# KiCad board FullsizeKeyboardPCB.kicad_pcb (continued)
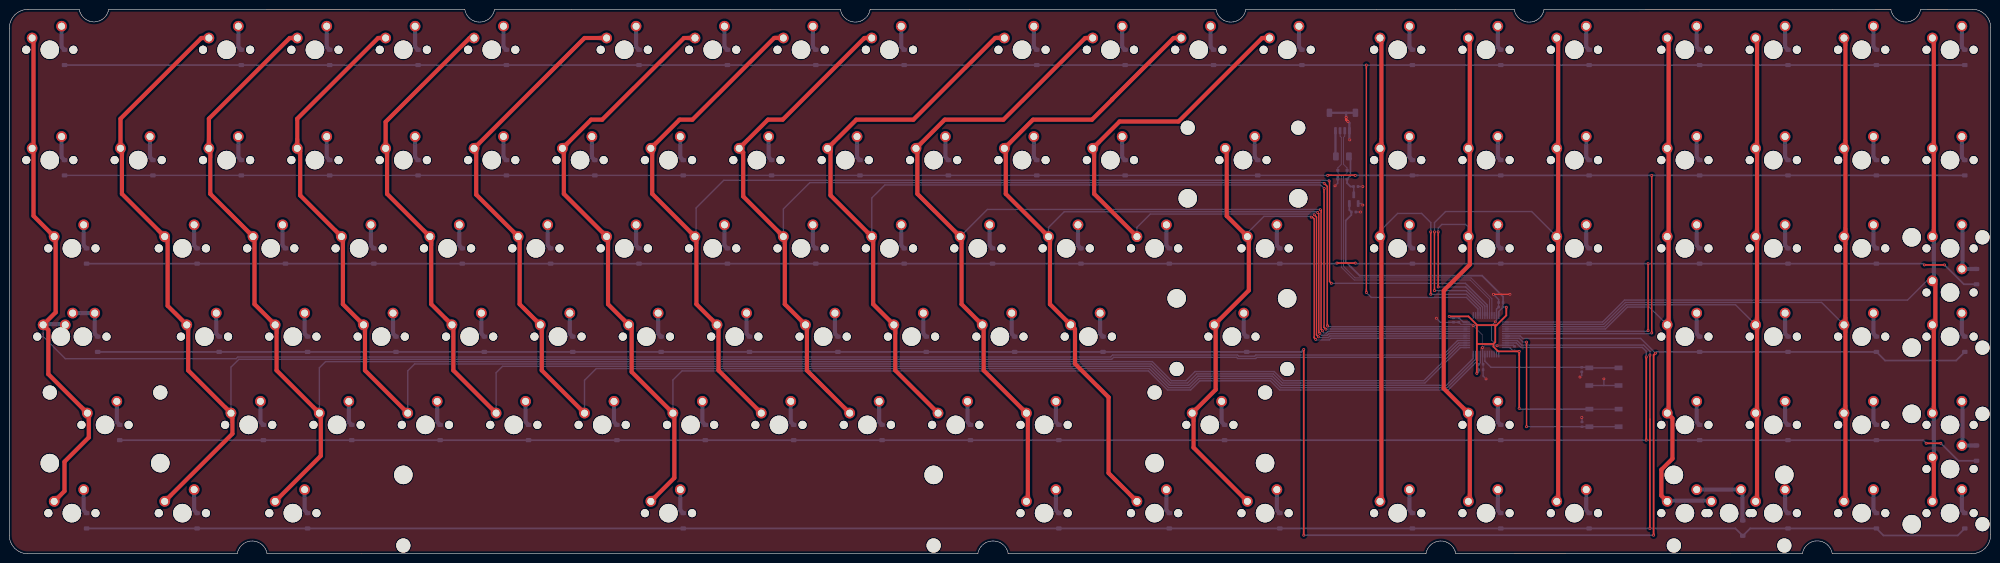
[diagram p0: board, top side]
## Nets
+3V3: BOOT1.1 C1.1 C2.1 C3.1 C5.2 C6.1 C7.1 C8.1 C9.1 U1.2 U2.9 U2.24 U2.36 U2.48
+5V: C4.1 D1.4 F1.2 U1.3
GND: C1.2 C2.2 C3.2 C4.2 C5.1 C6.2 C7.2 C8.2 C9.2 C10.2 D1.1 J1.4 J1.MP NRST1.2 R1.2 U1.1 U2.8 U2.23 U2.35 U2.47
VBUS: F1.1 J1.1
BOOT0: BOOT1.2 R1.1 U2.44
COL0: MX1.1 MX21.1 MX42.1 MX64.1 MX65.1 MX82.1 MX100.1 U2.16
COL1: MX2.1 MX22.1 MX43.1 MX66.1 MX83.1 MX101.1 U2.15
COL2: MX3.1 MX23.1 MX44.1 MX67.1 MX84.1 MX102.1 U2.14
COL3: MX4.1 MX24.1 MX45.1 MX68.1 MX85.1 U2.13
COL4: MX5.1 MX25.1 MX46.1 MX69.1 MX86.1 U2.12
COL5: MX6.1 MX26.1 MX47.1 MX70.1 MX87.1 U2.11
COL6: MX7.1 MX27.1 MX48.1 MX71.1 MX88.1 MX103.1 U2.10
COL7: MX8.1 MX28.1 MX49.1 MX72.1 MX89.1 U2.31
COL8: MX9.1 MX29.1 MX50.1 MX73.1 MX90.1 U2.22
COL9: MX10.1 MX30.1 MX51.1 MX74.1 MX91.1 U2.21
COL10: MX11.1 MX31.1 MX52.1 MX75.1 MX92.1 MX104.1 U2.20
COL11: MX12.1 MX32.1 MX53.1 MX76.1 MX105.1 U2.19
COL12: MX13.1 MX33.1 MX54.1 U2.18
COL13: MX34.1 MX55.1 MX77.1 MX93.1 MX106.1 U2.17
COL14: MX14.1 MX35.1 MX56.1 MX107.1 U2.28
COL15: MX15.1 MX36.1 MX57.1 MX94.1 MX108.1 U2.30
COL16: MX16.1 MX37.1 MX58.1 MX109.1 U2.29
COL17: MX17.1 MX38.1 MX59.1 MX78.1 MX95.1 MX110.1 MX113.1 U2.40
COL18: MX18.1 MX39.1 MX60.1 MX79.1 MX96.1 MX114.1 U2.39
COL19: MX19.1 MX40.1 MX61.1 MX80.1 MX97.1 MX111.1 U2.38
COL20: MX20.1 MX41.1 MX62.1 MX63.1 MX81.1 MX98.1 MX99.1 MX112.1 U2.37
D+: D1.3 J1.3 U2.33
D-: D1.2 J1.2 U2.32
NRST: C10.1 NRST1.1 U2.7
ROW0: D2.1 D3.1 D4.1 D5.1 D6.1 D7.1 D8.1 D9.1 D10.1 D11.1 D12.1 D13.1 D14.1 D15.1 D16.1 D17.1 D18.1 D19.1 D20.1 D21.1 U2.27
ROW1: D22.1 D23.1 D24.1 D25.1 D26.1 D27.1 D28.1 D29.1 D30.1 D31.1 D32.1 D33.1 D34.1 D35.1 D36.1 D37.1 D38.1 D39.1 D40.1 D41.1 D42.1 U2.42
ROW2: D43.1 D44.1 D45.1 D46.1 D47.1 D48.1 D49.1 D50.1 D51.1 D52.1 D53.1 D54.1 D55.1 D56.1 D57.1 D58.1 D59.1 D60.1 D61.1 D62.1 D64.1 U2.41
ROW3: D65.1 D67.1 D68.1 D69.1 D70.1 D71.1 D72.1 D73.1 D74.1 D75.1 D76.1 D77.1 D78.1 D79.1 D80.1 D81.1 D82.1 U2.43
ROW4: D83.1 D84.1 D85.1 D86.1 D87.1 D88.1 D89.1 D90.1 D91.1 D92.1 D93.1 D94.1 D95.1 D96.1 D97.1 D98.1 D100.1 U2.46
ROW5: D101.1 D102.1 D103.1 D104.1 D105.1 D106.1 D107.1 D108.1 D109.1 D110.1 D112.1 D113.1 D114.1 D115.1 U2.45
Net-(D2-A): D2.2 MX1.2
Net-(D3-A): D3.2 MX2.2
Net-(D4-A): D4.2 MX3.2
Net-(D5-A): D5.2 MX4.2
Net-(D6-A): D6.2 MX5.2
Net-(D7-A): D7.2 MX6.2
Net-(D8-A): D8.2 MX7.2
Net-(D9-A): D9.2 MX8.2
Net-(D10-A): D10.2 MX9.2
Net-(D11-A): D11.2 MX10.2
Net-(D12-A): D12.2 MX11.2
Net-(D13-A): D13.2 MX12.2
Net-(D14-A): D14.2 MX13.2
Net-(D15-A): D15.2 MX14.2
Net-(D16-A): D16.2 MX15.2
Net-(D17-A): D17.2 MX16.2
Net-(D18-A): D18.2 MX17.2
Net-(D19-A): D19.2 MX18.2
Net-(D20-A): D20.2 MX19.2
Net-(D21-A): D21.2 MX20.2
Net-(D22-A): D22.2 MX21.2
Net-(D23-A): D23.2 MX22.2
Net-(D24-A): D24.2 MX23.2
Net-(D25-A): D25.2 MX24.2
Net-(D26-A): D26.2 MX25.2
Net-(D27-A): D27.2 MX26.2
Net-(D28-A): D28.2 MX27.2
Net-(D29-A): D29.2 MX28.2
Net-(D30-A): D30.2 MX29.2
Net-(D31-A): D31.2 MX30.2
Net-(D32-A): D32.2 MX31.2
Net-(D33-A): D33.2 MX32.2
Net-(D34-A): D34.2 MX33.2
Net-(D35-A): D35.2 MX34.2
Net-(D36-A): D36.2 MX35.2
Net-(D37-A): D37.2 MX36.2
Net-(D38-A): D38.2 MX37.2
Net-(D39-A): D39.2 MX38.2
Net-(D40-A): D40.2 MX39.2
Net-(D41-A): D41.2 MX40.2
Net-(D42-A): D42.2 MX41.2
Net-(D43-A): D43.2 MX42.2
Net-(D44-A): D44.2 MX43.2
Net-(D45-A): D45.2 MX44.2
Net-(D46-A): D46.2 MX45.2
Net-(D47-A): D47.2 MX46.2
Net-(D48-A): D48.2 MX47.2
Net-(D49-A): D49.2 MX48.2
Net-(D50-A): D50.2 MX49.2
Net-(D51-A): D51.2 MX50.2
Net-(D52-A): D52.2 MX51.2
Net-(D53-A): D53.2 MX52.2
Net-(D54-A): D54.2 MX53.2
Net-(D55-A): D55.2 MX54.2
Net-(D56-A): D56.2 MX55.2
Net-(D57-A): D57.2 MX56.2
Net-(D58-A): D58.2 MX57.2
Net-(D59-A): D59.2 MX58.2
Net-(D60-A): D60.2 MX59.2
Net-(D61-A): D61.2 MX60.2
Net-(D62-A): D62.2 MX61.2
Net-(D64-A): D64.2 MX62.2 MX63.2
Net-(D65-A): D65.2 MX64.2 MX65.2
Net-(D67-A): D67.2 MX66.2
Net-(D68-A): D68.2 MX67.2
Net-(D69-A): D69.2 MX68.2
Net-(D70-A): D70.2 MX69.2
Net-(D71-A): D71.2 MX70.2
Net-(D72-A): D72.2 MX71.2
Net-(D73-A): D73.2 MX72.2
Net-(D74-A): D74.2 MX73.2
Net-(D75-A): D75.2 MX74.2
Net-(D76-A): D76.2 MX75.2
Net-(D77-A): D77.2 MX76.2
Net-(D78-A): D78.2 MX77.2
Net-(D79-A): D79.2 MX78.2
Net-(D80-A): D80.2 MX79.2
Net-(D81-A): D81.2 MX80.2
Net-(D82-A): D82.2 MX81.2
Net-(D83-A): D83.2 MX82.2
Net-(D84-A): D84.2 MX83.2
Net-(D85-A): D85.2 MX84.2
Net-(D86-A): D86.2 MX85.2
Net-(D87-A): D87.2 MX86.2
Net-(D88-A): D88.2 MX87.2
Net-(D89-A): D89.2 MX88.2
Net-(D90-A): D90.2 MX89.2
Net-(D91-A): D91.2 MX90.2
Net-(D92-A): D92.2 MX91.2
Net-(D93-A): D93.2 MX92.2
Net-(D94-A): D94.2 MX93.2
Net-(D95-A): D95.2 MX94.2
Net-(D96-A): D96.2 MX95.2
Net-(D97-A): D97.2 MX96.2
Net-(D98-A): D98.2 MX97.2
Net-(D100-A): D100.2 MX98.2 MX99.2
Net-(D101-A): D101.2 MX100.2
Net-(D102-A): D102.2 MX101.2
Net-(D103-A): D103.2 MX102.2
Net-(D104-A): D104.2 MX103.2
Net-(D105-A): D105.2 MX104.2
Net-(D106-A): D106.2 MX105.2
Net-(D107-A): D107.2 MX106.2
Net-(D108-A): D108.2 MX107.2
Net-(D109-A): D109.2 MX108.2
Net-(D110-A): D110.2 MX109.2
Net-(D112-A): D112.2 MX111.2
Net-(D113-A): D113.2 MX112.2
Net-(D114-A): D114.2 MX110.2 MX113.2
Net-(D115-A): D115.2 MX114.2

Pads without a net: U2 1 2 3 4 5 6 25 26 34

## Via types
v1: diameter 0.6, hole 0.3, Top to Bottom, 67 vias

## Routing (per net, layer and track width the routed paths; a pad name or vN(x,y) marks a point on that pad's centre or on a via; arc(x,y) is an arc through that point)
+3V3: length 141.9
  Top w0.375: 320.56,49.35 320.28,49.06 320.28,45.67 319.88,45.27 ; 320.56,49.35 322.66,51.45 v1(322.66,53.21) ; 320.56,49.35 316.38,49.35 316.31,49.42 ; 319.88,45.27 316.31,45.27 ; 319.88,45.27 319.88,44.7 320.89,43.69 v1(325.44,43.69) v1(325.44,31.38) ; 316.31,45.27 316.31,49.42 ; 316.31,45.27 v1(316.31,38.92) ; v1(310.36,51.23) 314.5,51.23 316.31,49.42
  Bottom w0.2: C7.1 C6.1 ; 340.57,31.21 BOOT1.1
  Bottom w0.3: v1(325.44,43.69) 325.32,43.8 C3.1 324.13,43.8 323.43,44.51 U2.48 ; U2.36 321.04,52.29 321.96,53.21 ; v1(322.66,53.21) 322.61,53.26 C9.1 C8.1 ; U2.9 317.04,41.25 C7.1 ; C2.1 C1.1 ; U2.24 313.38,50.01 312.47,50.92
  Bottom w0.375: C8.1 321.96,55.49 317.44,60.02 291.06,60.02 288.05,63.03 288.05,71.91 289.26,73.12 C5.2 288.83,74.18 U1.2 ; C6.1 316.7,39.32 v1(316.31,38.92) ; v1(325.44,31.38) 325.61,31.21 340.57,31.21 ; C1.1 310.66,50.92 v1(310.36,51.23)
+5V: length 9.2
  Bottom w0.3: U1.3 289.78,79.21
  Bottom w0.375: C4.1 289.07,79.25 288.34,79.99 D1.4 289.07,81.59 289.07,85.42
GND: length 75.7
  Top w0.3: v1(319.88,55.99) v1(323.45,55.99)
  Top w0.5: v1(288.53,93.3) 288.14,93.69 v1(288.14,94.17)
  Bottom w0.2: v1(320.68,44.88) 320.81,45.01 U2.47 ; v1(320.68,44.88) 317.9,44.88 v1(317.5,44.48) ; v1(320.68,44.88) 319.48,46.07 319.48,49.24 ; v1(317.5,44.48) 317.5,47.26 v1(315.52,49.24) ; v1(317.5,44.48) 317.54,44.44 U2.8 317.54,41.03 ; 320.99,54.41 320.99,53.26 ; C2.2 312.87,49.51 U2.23 ; C7.2 C6.2
  Bottom w0.3: v1(338.93,29.4) 338.98,29.35 R1.2 ; D1.1 286.34,79.99 v1(285.75,79.4) ; v1(291.74,75.25) 291.41,75.59 U1.1 ; 343.69,36.31 NRST1.2 ; 343.69,36.31 v1(343.69,37.73) ; 343.69,36.31 NRST1.2 ; v1(338.53,38.13) 338.92,38.51 C10.2 ; C5.1 v1(291.24,73.75) ; C9.2 320.54,52.8 U2.35 320.54,50.3 v1(320.28,50.04) 319.48,49.24 v1(315.52,49.24) 315.25,49.51 U2.23 ; C2.2 C1.2 308.45,49.96 v1(307.58,50.83) ; v1(319.88,55.99) 321,54.87 C8.2 ; C4.2 v1(291.74,79.25) ; v1(318.29,37.73) 317.66,38.37 C6.2 ; C3.2 324.18,45.01 U2.47
  Bottom w0.5: v1(288.53,93.3) 288.84,92.99 J1.4 288.84,89.41 v1(288.93,89.33) ; 288.13,95.17 288.13,94.18 v1(288.14,94.17) ; 288.13,95.17 J1.MP ; 288.13,95.17 J1.MP
VBUS: length 5.4
  Bottom w0.5: J1.1 285.84,85.85
BOOT0: length 43
  Top w0.3: v1(327.02,45.68) v1(327.02,27.41)
  Bottom w0.3: U2.44 325.43,46.51 326.26,45.68 v1(327.02,45.68) ; BOOT1.2 R1.1 v1(327.02,27.41)
COL0: length 426.3
  Top w0.9: 17.13,30.05 17.13,25.1 11.91,19.87 11.91,13.52 MX100.1 ; MX82.1 8.42,38.76 8.42,48.28 MX65.1 9.99,52.09 9.99,68.15 ; 5.23,87.2 5.23,72.91 MX42.1 ; 5.23,111.01 5.23,87.81
  Bottom w0.3: U2.16 312.14,46.01 309.03,42.89 268.68,42.89 268.43,42.64 264.97,42.64 264.72,42.89 237.81,42.89 237.38,42.46 49.26,42.46 48.9,42.1 12.07,42.1 7.31,46.86 7.31,47.39 7.3,47.39 MX65.1
  Bottom w0.9: 7.46,49.55 12.06,49.55
COL1: length 402.2
  Top w0.9: MX66.1 34.13,53.53 34.13,67.82 MX43.1 24.28,77.67 24.28,87.2 ; 38.56,49.1 38.56,39.57 MX83.1 ; 48.09,30.05 48.09,25.89 MX101.1 ; MX2.1 41.39,111.31 23.97,93.89 MX22.1
  Bottom w0.3: U2.15 312.35,45.51 309.24,42.39 268.89,42.39 268.64,42.14 264.76,42.14 264.51,42.39 238.02,42.39 237.59,41.96 49.47,41.96 47.78,40.27 MX83.1
COL2: length 385.3
  Top w0.9: 43.33,87.2 43.33,77.67 MX44.1 ; 52.85,68.15 52.85,53.86 MX67.1 ; MX84.1 57.61,39.57 57.61,49.1 ; MX102.1 67.14,21.13 67.14,30.05 ; MX3.1 60.44,111.31 43.02,93.89 MX23.1
  Bottom w0.3: MX84.1 66.83,40.13 68.17,41.46 246.35,41.46 250.46,37.35 253.62,37.35 255.59,39.32 272.65,39.32 274.62,37.35 304.9,37.35 312.56,45.01 U2.14
COL3: length 343.3
  Top w0.9: 76.66,49.1 76.66,39.57 MX85.1 ; MX4.1 79.49,111.31 62.07,93.89 MX24.1 62.71,86.87 62.71,77.34 MX45.1 ; MX68.1 71.9,53.86 71.9,68.15
  Bottom w0.3: MX85.1 85.88,39.48 87.37,40.96 246.15,40.96 250.26,36.85 253.96,36.85 255.92,38.82 272.45,38.82 274.41,36.85 305.11,36.85 312.77,44.51 U2.13
COL4: length 324.6
  Top w0.9: 95.71,49.1 95.71,39.57 MX86.1 ; MX69.1 90.95,53.86 90.95,68.15 ; 81.43,87.2 81.43,77.67 MX46.1 ; MX25.1 81.12,93.22 99.21,111.31 MX5.1
  Bottom w0.3: U2.12 315.54,42.17 309.72,36.35 274.21,36.35 272.24,38.32 256.18,38.32 254.21,36.35 250.05,36.35 245.94,40.46 106.31,40.46 104.93,39.08 MX86.1
COL5: length 311.1
  Top w0.9: 114.76,49.1 114.76,39.57 MX87.1 ; 100.64,87.03 100.64,77.5 MX47.1 ; MX6.1 123.98,111.31 MX26.1 ; 110,68.15 110,53.86 MX70.1
  Bottom w0.3: MX87.1 123.98,37.44 126.51,39.96 245.73,39.96 249.84,35.85 254.41,35.85 256.38,37.82 272.03,37.82 274,35.85 309.93,35.85 316.04,41.96 U2.11
COL6: length 314.2
  Top w0.9: 143.34,30.05 143.34,16.37 MX103.1 ; MX7.1 145.42,111.31 127.79,93.69 125.41,93.69 MX27.1 ; 129.05,68.15 129.05,53.86 MX71.1 134.14,48.77 134.14,39.24 MX88.1 ; MX48.1 119.53,77.67 119.53,87.2
  Bottom w0.3: MX88.1 143.03,37.49 145,39.46 245.52,39.46 249.63,35.35 254.62,35.35 256.59,37.32 271.82,37.32 273.79,35.35 310.14,35.35 316.54,41.76 U2.10
COL7: length 309.1
  Top w0.3: v1(284.45,80.49) 284.56,80.38 284.56,58.77 v1(284.96,58.37)
  Top w0.9: MX8.1 164.86,111.31 147.24,93.69 144.46,93.69 MX28.1 ; MX49.1 138.58,77.67 138.58,87.2 ; MX89.1 152.86,39.57 152.86,49.1 ; MX72.1 148.1,53.86 148.1,68.15
  Bottom w0.3: v1(284.96,58.37) 313.84,58.37 318.54,53.67 318.54,53.36 U2.31 ; 148.03,68.69 148.03,74.64 153.99,80.6 284.35,80.6 v1(284.45,80.49)
COL8: length 290.7
  Top w0.3: v1(283.41,79.95) 283.42,79.95 284.06,79.3 284.06,49.26 v1(284.16,49.16)
  Top w0.9: 167.15,68.15 167.15,53.86 MX73.1 ; MX50.1 158.19,77.11 158.19,86.63 MX29.1 163.51,93.69 166.69,93.69 184.31,111.31 MX9.1 ; MX90.1 171.91,39.57 171.91,49.1
  Bottom w0.3: v1(284.16,49.16) 284.31,49.01 U2.22 ; MX50.1 166.85,74.4 172.54,80.1 283.37,80.1 283.37,79.99 283.41,79.95 v1(283.41,79.95)
COL9: length 282.4
  Top w0.3: v1(283.78,48.46) 283.37,48.86 283.37,78.8 v1(283.41,78.84)
  Top w0.9: MX91.1 190.96,39.57 190.96,49.1 ; MX74.1 186.2,53.86 186.2,68.15 ; MX10.1 212.49,111.31 194.87,93.69 182.56,93.69 MX30.1 177.01,86.87 177.01,77.34 MX51.1
  Bottom w0.3: 283.77,48.45 283.82,48.51 U2.21 ; v1(283.41,78.84) 283.39,78.84 282.64,79.6 188.71,79.6 185.9,76.79 MX51.1
COL10: length 270
  Top w0.3: v1(282.57,74.25) 282.75,74.07 282.75,48.4 v1(283.03,48.11)
  Top w0.9: MX11.1 231.89,111.31 214.27,93.69 201.61,93.69 MX31.1 ; 219.54,30.05 219.54,11.61 ; 195.73,87.2 195.73,77.67 MX52.1 ; MX75.1 205.25,53.86 205.25,68.15 ; 210.01,49.1 210.01,39.57 MX92.1
  Bottom w0.3: v1(282.57,74.25) 282.51,74.31 210.81,74.31 MX52.1 ; 282.97,48.05 283.37,47.65 283.89,47.65 284.24,48.01 U2.20
COL11: length 255
  Top w0.3: v1(282.47,47.55) 282.25,47.77 282.25,73.42 282.01,73.66 v1(282,73.66)
  Top w0.9: MX105.1 236.93,17.41 236.93,33.76 229.7,41 229.7,48.46 MX76.1 224.3,53.86 224.3,68.15 ; MX53.1 214.78,77.67 214.78,87.2 ; MX32.1 220.66,93.69 233.36,93.69 237.73,98.06 237.73,98.1 250.94,111.31 MX12.1
  Bottom w0.3: v1(282,73.66) 282,73.67 281.86,73.81 227.37,73.81 224,70.44 MX53.1 ; 282.57,47.65 v1(282.47,47.55) 282.86,47.15 284.1,47.15 284.45,47.51 U2.19
COL12: length 170.9
  Top w0.3: v1(281.27,73.16) 281.75,72.68 281.75,47.22 v1(282.16,46.81)
  Top w0.9: MX33.1 239.32,93.3 252.02,93.3 270.03,111.31 MX13.1 ; MX54.1 233.83,77.67 233.83,87.2
  Bottom w0.3: U2.18 284.66,47.01 284.31,46.65 282.31,46.65 v1(282.16,46.81) ; MX54.1 243.05,70.44 245.92,73.31 281.13,73.31 281.27,73.17 v1(281.27,73.16)
COL13: length 162.6
  Top w0.3: v1(280.61,72.66) 280.85,72.66 281.25,72.26 281.25,46.59 v1(281.57,46.26)
  Top w0.9: MX93.1 260.02,35.42 260.02,49.1 ; 267.16,68.15 267.16,56.85 MX77.1 ; MX106.1 255.26,22.9 255.26,30.05 ; 262.4,87.2 262.4,72.91 MX55.1
  Bottom w0.3: U2.17 284.87,46.51 284.51,46.15 281.68,46.15 v1(281.57,46.26) ; v1(280.61,72.66) 280.46,72.81 270.43,72.81 266.86,69.24
  Bottom w0.9: MX55.1 266.86,69.24
COL14: length 141.7
  Top w0.3: v1(306.39,55.99) 306.37,56 v1(306.37,69.48)
  Top w0.9: 295.74,87.2 295.74,68.76 ; 295.74,11.61 295.74,68.15 ; 295.74,111.01 295.74,87.81
  Bottom w0.3: MX56.1 295.43,69.64 299.24,73.45 304.4,73.45 306.39,71.47 306.39,69.5 v1(306.37,69.48) ; U2.28 317.04,53.05 314.1,55.99 v1(306.39,55.99)
COL15: length 138.1
  Top w0.3: v1(307.97,69.48) v1(307.97,57.58)
  Top w0.9: 314.79,87.2 314.79,68.76 ; 314.79,111.01 314.79,87.81 ; MX94.1 309.17,35.67 309.17,56.78 309.41,57.02 309.41,57.04 314.79,62.43 314.79,68.15 ; 314.79,30.05 314.79,11.61
  Bottom w0.3: v1(307.97,69.48) 307.97,70.28 308.77,71.07 313.93,71.07 314.48,70.51 MX57.1 ; U2.30 318.04,53.46 313.93,57.58 v1(307.97,57.58)
COL16: length 156.1
  Top w0.3: v1(307.18,56.78) 307.17,56.79 v1(307.17,69.48)
  Top w0.9: 333.84,68.15 333.84,11.61 ; 333.84,111.01 333.84,87.81 ; 333.84,87.2 333.84,68.76
  Bottom w0.3: MX58.1 328.14,73.85 309.56,73.85 307.18,71.47 307.18,69.49 v1(307.17,69.48) ; v1(307.18,56.78) 314.01,56.78 317.54,53.25 U2.29
COL17: length 147.2
  Top w0.9: 357.65,111.01 357.65,87.81 ; MX113.1 356.08,12.57 356.08,18.13 358.46,20.51 358.46,29.23 MX95.1 ; 357.65,49.1 357.65,30.66 ; 357.65,87.2 357.65,68.76 ; 357.65,68.15 357.65,49.71
  Bottom w0.3: U2.40 344.02,48.51 348.76,53.24 353.51,53.24 MX78.1
  Bottom w0.9: 357.5,11.45 366.72,11.45
COL18: length 154.7
  Top w0.9: 376.7,87.2 376.7,68.76 ; 376.7,30.05 376.7,11.61 ; 376.7,111.01 376.7,87.81 ; 376.7,68.15 376.7,49.71 ; 376.7,49.1 376.7,30.66
  Bottom w0.3: MX79.1 372.06,53.74 348.55,53.74 343.82,49.01 U2.39
COL19: length 173.9
  Top w0.9: 395.75,49.1 395.75,30.66 ; 395.75,11.61 395.75,30.05 ; 395.75,68.15 395.75,49.71 ; 395.75,111.01 395.75,87.81 ; 395.75,87.2 395.75,68.76
  Bottom w0.3: U2.38 343.61,49.51 348.34,54.24 390.61,54.24 MX80.1
COL20: length 192.6
  Top w0.9: 414.8,11.61 414.8,20.52 ; 414.8,30.66 414.8,49.1 ; MX81.1 415.13,50.04 415.13,58.29 MX62.1 ; 414.8,68.76 414.8,87.2 ; 414.8,87.81 414.8,111.01
  Bottom w0.3: U2.37 343.4,50.01 348.13,54.74 409.12,54.74 413.31,58.93 MX62.1
  Bottom w0.9: 414.8,68.15 414.8,59.23 ; 414.8,30.05 414.8,21.13
D+: length 68.5
  Bottom w0.2: J1.3 287.84,90.13 287.56,89.86 287.56,84.05 288.34,83.28 D1.3 288.34,82.23 287.56,81.45 287.56,62.04 290.07,59.53 315.07,59.53 319.54,55.06 U2.33
D-: length 68.5
  Bottom w0.2: U2.32 319.04,54.92 314.88,59.08 289.88,59.08 287.11,61.85 287.11,81.46 286.71,81.85 286.71,81.85 286.34,82.23 D1.2 286.34,83.28 287.11,84.05 287.11,89.86 286.84,90.13 J1.2
NRST: length 30.8
  Bottom w0.3: 340.42,40.24 C10.1 319.36,40.24 318.04,41.55 U2.7 ; NRST1.1 NRST1.1
ROW0: length 486.1
  Top w0.3: v1(292.5,56.39) v1(292.5,105.47)
  Bottom w0.3: D14.1 279.13,105.47 ; v1(292.5,56.39) 293.56,55.33 314.06,55.33 316.54,52.84 U2.27
  Bottom w0.375: D21.1 v1(292.5,105.47) D2.1
ROW1: length 476.4
  Top w0.3: v1(354.01,47.65) v1(354.01,81.66) ; v1(290.12,81.66) 290.07,81.7 284.21,81.7 v1(284.16,81.66)
  Bottom w0.3: U2.42 353.87,47.51 v1(354.01,47.65) ; D22.1 D35.1 v1(284.16,81.66)
  Bottom w0.375: 303.61,81.66 D38.1 v1(354.01,81.66) D42.1 ; 303.61,81.66 D36.1 ; 303.61,81.66 v1(290.12,81.66)
ROW2: length 454.6
  Top w0.3: v1(353.22,48.16) v1(353.22,62.61)
  Top w0.375: v1(286.15,62.74) v1(290.12,62.74) ; v1(417.12,62.34) v1(412.75,62.34)
  Bottom w0.3: v1(353.22,48.16) 353.07,48.01 U2.41
  Bottom w0.375: v1(417.12,62.34) 421.29,58.16 D64.1 ; v1(290.12,62.74) 290.24,62.61 D57.1 v1(353.22,62.61) D62.1 412.48,62.61 v1(412.75,62.34) ; v1(286.15,62.74) 286.02,62.61 D56.1 D43.1
ROW3: length 517.3
  Top w0.375: v1(354.41,4) 354.41,42.89 v1(354.81,43.29) ; v1(279,44.08) v1(279,4)
  Bottom w0.3: 322.46,47.01 323.3,47.01 325.64,47.01 326.18,46.46 351.63,46.46 v1(354.81,43.29)
  Bottom w0.375: D65.1 D78.1 278.48,43.56 v1(279,44.08) ; v1(354.41,4) v1(279,4) ; D82.1 419.62,41.7 404.29,41.7 D81.1 D79.1 355.08,43.56 v1(354.81,43.29)
ROW4: length 452.3
  Top w0.375: v1(352.82,24.51) v1(352.82,42.5) ; v1(413.15,23.84) v1(416.32,23.84)
  Bottom w0.3: U2.46 324.81,45.51 325.78,44.53 351.98,44.53 352.82,43.69 v1(352.82,42.5)
  Bottom w0.375: D83.1 D94.1 v1(352.82,24.51) D98.1 412.48,24.51 v1(413.15,23.84) ; D100.1 420.1,20.06 v1(416.32,23.84)
ROW5: length 477.7
  Top w0.3: v1(353.62,42.89) 353.62,29
  Top w0.375: v1(353.62,5.46) 353.62,29
  Bottom w0.3: v1(353.62,42.89) 353.62,43.69 352.27,45.03 325.99,45.03 325.01,46.01 U2.45
  Bottom w0.375: D113.1 419.97,3.95 403.94,3.95 D112.1 D115.1 375.22,5.46 D114.1 372.04,5.46 v1(353.62,5.46) D110.1 D101.1
Net-(D2-A): length 5.3
  Bottom w0.9: MX1.2 11.27,109.41 D2.2
Net-(D3-A): length 5.3
  Bottom w0.9: MX2.2 49.37,109.41 D3.2
Net-(D4-A): length 5.3
  Bottom w0.9: MX3.2 68.42,109.41 D4.2
Net-(D5-A): length 5.3
  Bottom w0.9: MX4.2 87.47,109.41 D5.2
Net-(D6-A): length 5.3
  Bottom w0.9: D6.2 106.52,109.41 MX5.2
Net-(D7-A): length 5.3
  Bottom w0.9: MX6.2 135.1,109.41 D7.2
Net-(D8-A): length 5.3
  Bottom w0.9: D8.2 154.15,109.41 MX7.2
Net-(D9-A): length 5.3
  Bottom w0.9: MX8.2 173.2,109.41 D9.2
Net-(D10-A): length 5.3
  Bottom w0.9: D10.2 192.25,109.41 MX9.2
Net-(D11-A): length 5.3
  Bottom w0.9: MX10.2 220.82,109.41 D11.2
Net-(D12-A): length 5.3
  Bottom w0.9: D12.2 239.87,109.41 MX11.2
Net-(D13-A): length 5.3
  Bottom w0.9: MX12.2 258.92,109.41 D13.2
Net-(D14-A): length 5.3
  Bottom w0.9: MX13.2 277.97,109.41 D14.2
Net-(D15-A): length 5.3
  Bottom w0.9: MX14.2 301.78,109.41 D15.2
Net-(D16-A): length 5.3
  Bottom w0.9: MX15.2 320.83,109.41 D16.2
Net-(D17-A): length 5.3
  Bottom w0.9: D17.2 339.88,109.41 MX16.2
Net-(D18-A): length 5.3
  Bottom w0.9: D18.2 363.7,109.41 MX17.2
Net-(D19-A): length 5.3
  Bottom w0.9: MX18.2 382.75,109.41 D19.2
Net-(D20-A): length 5.3
  Bottom w0.9: D20.2 401.8,109.41 MX19.2
Net-(D21-A): length 5.3
  Bottom w0.9: D21.2 420.85,109.41 MX20.2
Net-(D22-A): length 5.3
  Bottom w0.9: MX21.2 11.27,85.6 D22.2
Net-(D23-A): length 5.3
  Bottom w0.9: MX22.2 30.32,85.6 D23.2
Net-(D24-A): length 5.3
  Bottom w0.9: D24.2 49.37,85.6 MX23.2
Net-(D25-A): length 5.3
  Bottom w0.9: MX24.2 68.42,85.6 D25.2
Net-(D26-A): length 5.3
  Bottom w0.9: MX25.2 87.47,85.6 D26.2
Net-(D27-A): length 5.3
  Bottom w0.9: MX26.2 106.52,85.6 D27.2
Net-(D28-A): length 5.3
  Bottom w0.9: MX27.2 125.57,85.6 D28.2
Net-(D29-A): length 5.3
  Bottom w0.9: D29.2 144.62,85.6 MX28.2
Net-(D30-A): length 5.3
  Bottom w0.9: D30.2 163.67,85.6 MX29.2
Net-(D31-A): length 5.3
  Bottom w0.9: D31.2 182.72,85.6 MX30.2
Net-(D32-A): length 5.3
  Bottom w0.9: D32.2 201.77,85.6 MX31.2
Net-(D33-A): length 5.3
  Bottom w0.9: MX32.2 220.82,85.6 D33.2
Net-(D34-A): length 5.3
  Bottom w0.9: MX33.2 239.87,85.6 D34.2
Net-(D35-A): length 5.3
  Bottom w0.9: MX34.2 268.45,85.6 D35.2
Net-(D36-A): length 5.3
  Bottom w0.9: MX35.2 301.78,85.6 D36.2
Net-(D37-A): length 5.3
  Bottom w0.9: D37.2 320.83,85.6 MX36.2
Net-(D38-A): length 5.3
  Bottom w0.9: MX37.2 339.88,85.6 D38.2
Net-(D39-A): length 5.3
  Bottom w0.9: MX38.2 363.7,85.6 D39.2
Net-(D40-A): length 5.3
  Bottom w0.9: MX39.2 382.75,85.6 D40.2
Net-(D41-A): length 5.3
  Bottom w0.9: D41.2 401.8,85.6 MX40.2
Net-(D42-A): length 5.3
  Bottom w0.9: D42.2 420.85,85.6 MX41.2
Net-(D43-A): length 5.3
  Bottom w0.9: D43.2 16.03,66.55 MX42.2
Net-(D44-A): length 5.3
  Bottom w0.9: D44.2 39.85,66.55 MX43.2
Net-(D45-A): length 5.3
  Bottom w0.9: D45.2 58.9,66.55 MX44.2
Net-(D46-A): length 5.3
  Bottom w0.9: D46.2 77.95,66.55 MX45.2
Net-(D47-A): length 5.3
  Bottom w0.9: D47.2 97,66.55 MX46.2
Net-(D48-A): length 5.3
  Bottom w0.9: D48.2 116.05,66.55 MX47.2
Net-(D49-A): length 5.3
  Bottom w0.9: MX48.2 135.1,66.55 D49.2
Net-(D50-A): length 5.3
  Bottom w0.9: D50.2 154.15,66.55 MX49.2
Net-(D51-A): length 5.3
  Bottom w0.9: MX50.2 173.2,66.55 D51.2
Net-(D52-A): length 5.3
  Bottom w0.9: D52.2 192.25,66.55 MX51.2
Net-(D53-A): length 5.3
  Bottom w0.9: D53.2 211.3,66.55 MX52.2
Net-(D54-A): length 5.3
  Bottom w0.9: MX53.2 230.35,66.55 D54.2
Net-(D55-A): length 5.3
  Bottom w0.9: D55.2 249.4,66.55 MX54.2
Net-(D56-A): length 5.3
  Bottom w0.9: MX55.2 273.21,66.55 D56.2
Net-(D57-A): length 5.3
  Bottom w0.9: MX56.2 301.78,66.55 D57.2
Net-(D58-A): length 5.3
  Bottom w0.9: MX57.2 320.83,66.55 D58.2
Net-(D59-A): length 5.3
  Bottom w0.9: D59.2 339.88,66.55 MX58.2
Net-(D60-A): length 5.3
  Bottom w0.9: MX59.2 363.7,66.55 D60.2
Net-(D61-A): length 5.3
  Bottom w0.9: MX60.2 382.75,66.55 D61.2
Net-(D62-A): length 5.3
  Bottom w0.9: MX61.2 401.8,66.55 D62.2
Net-(D64-A): length 12.4
  Bottom w0.9: 420.85,61.46 D64.2 ; 421,70.84 421,61.62
Net-(D65-A): length 10.1
  Bottom w0.9: D65.2 18.42,47.5 MX64.2 MX65.2
Net-(D67-A): length 5.3
  Bottom w0.9: MX66.2 44.61,47.5 D67.2
Net-(D68-A): length 5.3
  Bottom w0.9: D68.2 63.66,47.5 63.66,51.94
Net-(D69-A): length 5.3
  Bottom w0.9: D69.2 82.71,47.5 MX68.2
Net-(D70-A): length 5.3
  Bottom w0.9: D70.2 101.76,47.5 MX69.2
Net-(D71-A): length 5.3
  Bottom w0.9: MX70.2 120.81,47.5 D71.2
Net-(D72-A): length 5.3
  Bottom w0.9: MX71.2 139.86,47.5 D72.2
Net-(D73-A): length 5.3
  Bottom w0.9: D73.2 158.91,47.5 MX72.2
Net-(D74-A): length 5.3
  Bottom w0.9: MX73.2 177.96,47.5 D74.2
Net-(D75-A): length 5.3
  Bottom w0.9: D75.2 197.01,47.5 197.01,51.94
Net-(D76-A): length 5.3
  Bottom w0.9: MX75.2 216.06,47.5 D76.2
Net-(D77-A): length 5.3
  Bottom w0.9: D77.2 235.11,47.5 MX76.2
Net-(D78-A): length 5.3
  Bottom w0.9: D78.2 266.06,47.5 MX77.2
Net-(D79-A): length 5.3
  Bottom w0.9: D79.2 363.7,47.5 MX78.2
Net-(D80-A): length 5.3
  Bottom w0.9: MX79.2 382.75,47.5 D80.2
Net-(D81-A): length 5.3
  Bottom w0.9: MX80.2 401.8,47.5 D81.2
Net-(D82-A): length 5.3
  Bottom w0.9: D82.2 420.85,47.5 MX81.2
Net-(D83-A): length 5.3
  Bottom w0.9: D83.2 23.18,28.45 MX82.2
Net-(D84-A): length 5.3
  Bottom w0.9: MX83.2 54.13,28.45 D84.2
Net-(D85-A): length 5.3
  Bottom w0.9: D85.2 73.18,28.45 MX84.2
Net-(D86-A): length 5.3
  Bottom w0.9: MX85.2 92.23,28.45 D86.2
Net-(D87-A): length 5.3
  Bottom w0.9: D87.2 111.28,28.45 MX86.2
Net-(D88-A): length 5.3
  Bottom w0.9: MX87.2 130.33,28.45 D88.2
Net-(D89-A): length 5.3
  Bottom w0.9: D89.2 149.38,28.45 MX88.2
Net-(D90-A): length 5.3
  Bottom w0.9: MX89.2 168.43,28.45 D90.2
Net-(D91-A): length 5.3
  Bottom w0.9: MX90.2 187.48,28.45 D91.2
Net-(D92-A): length 5.3
  Bottom w0.9: MX91.2 206.53,28.45 D92.2
Net-(D93-A): length 5.3
  Bottom w0.9: D93.2 225.58,28.45 MX92.2
Net-(D94-A): length 5.3
  Bottom w0.9: MX93.2 261.3,28.45 D94.2
Net-(D95-A): length 5.3
  Bottom w0.9: D95.2 320.83,28.45 MX94.2
Net-(D96-A): length 5.3
  Bottom w0.9: D96.2 363.7,28.45 MX95.2
Net-(D97-A): length 5.3
  Bottom w0.9: D97.2 382.75,28.45 MX96.2
Net-(D98-A): length 5.3
  Bottom w0.9: MX97.2 401.8,28.45 D98.2
Net-(D100-A): length 12.4
  Bottom w0.9: 421,32.74 421,23.52 ; D100.2 420.85,23.36
Net-(D101-A): length 5.3
  Bottom w0.9: MX100.2 16.03,9.4 D101.2
Net-(D102-A): length 5.3
  Bottom w0.9: D102.2 39.85,9.4 MX101.2
Net-(D103-A): length 5.3
  Bottom w0.9: 63.66,13.84 63.66,9.4 D103.2
Net-(D104-A): length 5.3
  Bottom w0.9: D104.2 144.62,9.4 MX103.2
Net-(D105-A): length 5.3
  Bottom w0.9: D105.2 225.58,9.4 MX104.2
Net-(D106-A): length 5.3
  Bottom w0.9: D106.2 249.4,9.4 MX105.2
Net-(D107-A): length 5.3
  Bottom w0.9: D107.2 273.21,9.4 MX106.2
Net-(D108-A): length 5.3
  Bottom w0.9: MX107.2 301.78,9.4 D108.2
Net-(D109-A): length 5.3
  Bottom w0.9: MX108.2 320.83,9.4 D109.2
Net-(D110-A): length 5.3
  Bottom w0.9: D110.2 339.88,9.4 MX109.2
Net-(D112-A): length 5.3
  Bottom w0.9: D112.2 401.8,9.4 MX111.2
Net-(D113-A): length 5.3
  Bottom w0.9: MX112.2 420.85,9.4 D113.2
Net-(D114-A): length 15.9
  Bottom w0.9: 373.55,13.51 373.55,7.25 D114.2 ; MX110.2 MX113.2
Net-(D115-A): length 5.3
  Bottom w0.9: MX114.2 382.75,9.4 D115.2

## Copper pours and planes (outline as drawn; the poured copper is in the pictures)
GND on Top, Bottom: -19.05,-18.35 450.06,-18.75 445.69,171.35 -25,167.78 -26.19,161.04 -30.96,-6.05

Small or netless copper shapes (teardrops, artwork), in the pictures only: 228 on Top, 483 on Bottom
